# Altium PCB Acquisition-System_V1.0.PcbDoc (part 3 of 5) (continued)
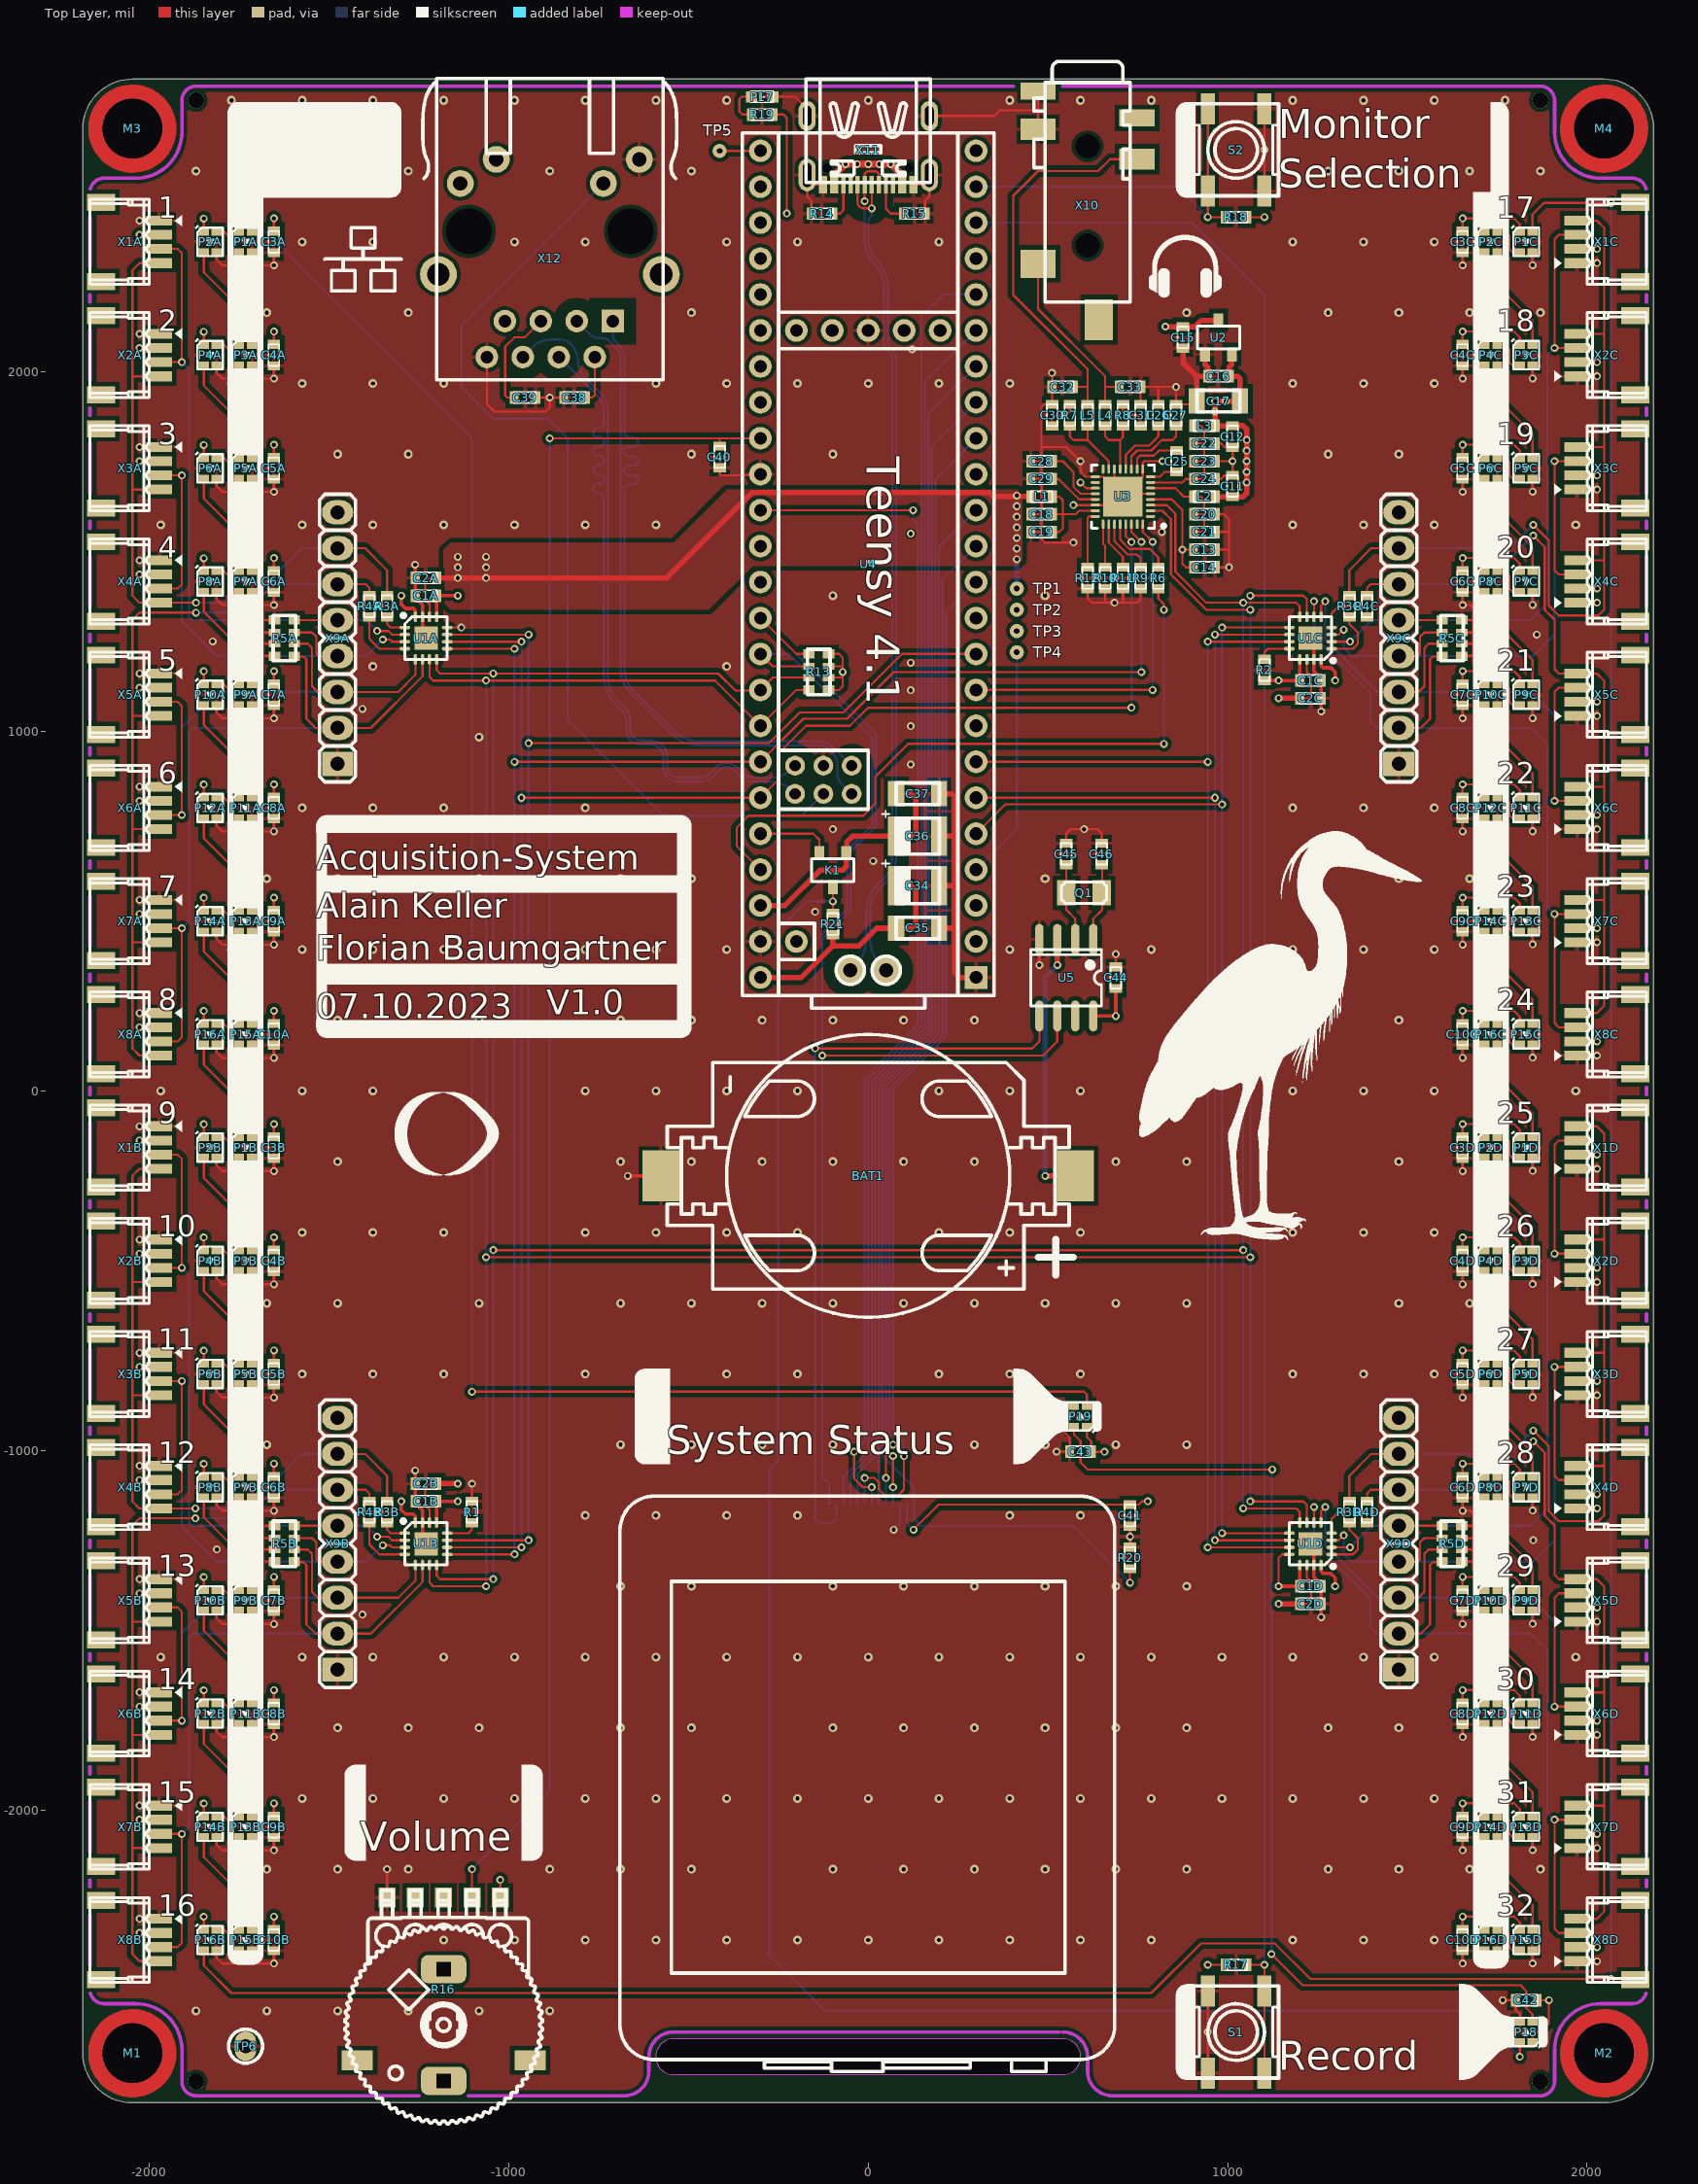
[diagram p0: Top Layer view]
## Nets (pads, with @x,y where several pads share a name; then routed paths per layer and width w, separated by ;. In a path a pad name is that pad's centre, name@x,y a point inside that pad or via, vN(x,y) a via of type N, cw(c..) or ccw(c..) an arc to the next point about the centre after c; other vN are vias at no path point) (continued)
HMI_SCL: R13.5 U4.38 U5.6 X13.2 | length 3590.1
  Top Layer w6: U4.38@-300,1315.75 -200.2,1215.94 R13.5@-165.35,1215.94 ; v1(-127.95,98.43) 486.81,98.43 526.18,137.8 U5.6@526.18,208.66
  Bottom Layer w6: U4.38@-300,1315.75 21.65,994.09 21.65,736.08 -49.21,665.21 -49.21,501.97 -127.95,423.23 v1(-127.95,98.43) -127.95,-738.19 ; -127.95,-734.09 -127.95,-738.19 ; X13.2@-108.27,-1149.61 -108.27,-1092.52 -127.95,-1072.83 -127.95,-738.19
HMI_SDA: R13.6 U4.39 U5.5 X13.3 | length 3608
  Top Layer w6: U4.39@-300,1215.75 -265.75,1181.5 R13.6@-165.35,1181.5 ; v1(-147.64,118.11) 456.5,118.11 476.18,137.8 U5.5@476.18,208.66
  Bottom Layer w6: U4.39@-300,1215.75 -221.65,1215.75 11.81,982.28 11.81,740.16 -59.06,669.29 -59.06,506.05 -147.64,417.46 v1(-147.64,118.11) -147.64,-738.19 -147.64,-1190.94 -137.8,-1200.79 -98.43,-1200.79 -88.58,-1190.94 X13.3@-88.58,-1149.61
LCD_BL: R20.2 U4.16 X13.14 | length 3864
  Top Layer w6: v1(728.35,-1368.11) R20.2@728.35,-1329.21
  Bottom Layer w6: U4.16@300,1815.75 187.01,1702.76 187.01,163.24 39.37,15.61 39.37,-984.25 39.37,-1015.75 127.95,-1104.33 X13.14@127.95,-1149.61 127.95,-1190.94 147.64,-1210.63 570.87,-1210.63 v1(728.35,-1368.11)
LCD_C\S\: U4.12 X13.7 | length 2854.4
  Top Layer w6: v1(-9.84,-1076.77) 17.72,-1076.77 29.53,-1088.58 29.53,-1108.27 47.24,-1125.98 82.68,-1125.98 99.57,-1109.09 v1(99.57,-1016)
  Bottom Layer w6: X13.7@-9.84,-1149.61 v1(-9.84,-1076.77) ; v1(99.57,-1016) 99.57,-977.52 68.9,-946.85 68.9,3.38 216.53,151.01 216.54,1332.28 U4.12@300,1415.75
LCD_DC: U4.17 X13.9 | length 3177.4
  Bottom Layer w6: X13.9@29.53,-1149.61 29.53,-984.25 29.53,19.69 177.16,167.32 177.17,1792.91 U4.17@300,1915.75
LCD_MISO: U4.14 X13.11 | length 2877.4
  Top Layer w6: v1(68.9,-1102.36) v1(68.9,-1015.75)
  Bottom Layer w6: X13.11@68.9,-1149.61 v1(68.9,-1102.36) ; v1(68.9,-1015.75) 49.21,-996.06 49.21,11.53 196.85,159.17 196.85,1512.6 U4.14@300,1615.75
LCD_MOSI: U4.13 X13.10 | length 2777.4
  Top Layer w6: v1(49.21,-1076.77) 49.21,-1003.94 v1(68.9,-984.25)
  Bottom Layer w6: X13.10@49.21,-1149.61 v1(49.21,-1076.77) ; v1(68.9,-984.25) 68.9,-966.54 59.06,-956.69 59.06,7.45 206.69,155.09 206.69,1422.44 U4.13@300,1515.75
LCD_R\S\T\: U4.18 X13.6 | length 3301.8
  Bottom Layer w6: X13.6@-29.53,-1149.61 -29.53,-1064.96 19.69,-1015.75 19.69,-984.25 19.69,23.76 167.32,171.4 167.32,1883.07 U4.18@300,2015.75
LCD_SCLK: U4.35 X13.8 | length 3304.4
  Top Layer w6: U4.35@-300,1615.75 v1(124.89,1615.75) ; v1(-39.37,-1003.94) -39.37,-1078.74 -15.75,-1102.36 v1(9.84,-1102.36)
  Bottom Layer w6: v1(-39.37,-1003.94) -9.84,-974.41 -9.84,35.99 137.79,183.63 137.8,1577.04 124.89,1589.94 v1(124.89,1615.75) ; X13.8@9.84,-1149.61 v1(9.84,-1102.36)
NetBAT1_1: BAT1.1 U5.3 | length 756.2
  Top Layer w15: v1(492.13,-236.22) BAT1.1@576.77,-236.22 ; v1(526.18,350.39) U5.3@526.18,421.26
  Bottom Layer w15: v1(492.13,-236.22) 492.13,316.34 v1(526.18,350.39)
NetC18_2: C18.2 C19.2 L1.2 U3.23 | length 268.7
  Top Layer w6: C19.2@512.28,1555.12 531.5,1555.12 541.34,1564.96 541.34,1604.33 ; C18.2@512.28,1604.33 541.34,1604.33 ; L1.2@512.28,1653.54 531.5,1653.54 541.34,1643.7 541.34,1604.33 ; U3.23@631.89,1614.17 586.61,1614.17 576.77,1604.33 541.34,1604.33
NetC20_2: C20.2 C21.2 L2.2 U3.6 | length 306.3
  Top Layer w6: U3.6@785.43,1677.17 854.33,1677.17 877.95,1653.54 L2.2@905.04,1653.54 925.2,1653.54 935.04,1643.7 935.04,1604.33 ; C21.2@905.04,1555.12 925.2,1555.12 935.04,1564.96 935.04,1604.33 ; C20.2@905.04,1604.33 935.04,1604.33
NetC22_2: C22.2 C23.2 C24.2 L3.2 U3.7 | length 380.9
  Top Layer w6: U3.7@785.43,1692.91 874.02,1692.91 883.86,1702.76 C24.2@905.04,1702.76 927.16,1702.76 935.04,1710.63 935.04,1801.18 ; C23.2@905.04,1751.97 935.04,1751.97 ; C22.2@905.04,1801.18 935.04,1801.18 ; L3.2@905.04,1850.39 925.2,1850.39 935.04,1840.55 935.04,1801.18
NetC25_1: C25.1 U3.10 | length 148.9
  Top Layer w6: U3.10@748.03,1730.31 748.03,1759.84 755.91,1767.72 795.28,1767.72 809.53,1781.97 C25.1@858.27,1781.97
NetC25_2: C25.2 U3.8 | length 78.3
  Top Layer w6: U3.8@785.43,1708.66 811.02,1708.66 824.33,1721.97 C25.2@858.27,1721.97
NetC26_2: C26.2 U3.12 | length 180.2
  Top Layer w6: U3.12@716.54,1730.31 716.54,1769.69 742.13,1795.28 781.5,1795.28 807.09,1820.87 C26.2@807.09,1849.92
NetC27_2: C27.2 U3.11 | length 211.3
  Top Layer w6: U3.11@732.28,1730.31 732.28,1765.75 748.03,1781.5 787.4,1781.5 816.93,1811.02 846.46,1811.02 856.3,1820.87 C27.2@856.3,1849.92
NetC28_2: C28.2 U3.20 | length 181.3
  Top Layer w6: C28.2@512.28,1751.97 541.34,1751.97 570.87,1722.44 570.87,1681.1 590.55,1661.42 U3.20@631.89,1661.42
NetC29_2: C29.2 U3.21 | length 143.3
  Top Layer w6: C29.2@512.28,1702.76 513.03,1702.01 530.27,1702.01 586.61,1645.67 U3.21@631.89,1645.67
NetC30_2: C30.2 R7.2 | length 97.7
  Top Layer w6: C30.2@511.81,1849.92 511.81,1870.08 521.65,1879.92 551.18,1879.92 561.02,1889.76 R7.2@561.02,1909.92
NetC31_2: C31.2 R8.2 | length 97.7
  Top Layer w6: R8.2@708.66,1909.92 708.66,1889.76 718.5,1879.92 748.03,1879.92 757.87,1870.08 C31.2@757.87,1849.92
NetC32_1: C32.1 L5.1 X10.5 | length 1091.7
  Top Layer w6: C32.1@571.34,1958.66 571.57,1958.9 610.24,1958.9 ; L5.1@610.24,1909.92 610.24,1958.9 ; X10.5@748.03,2592.52 673.23,2592.52 639.76,2559.06 472.44,2559.06 403.54,2490.16 403.54,2214.57 610.24,2007.87 610.24,1958.9
NetC33_1: C33.1 L4.1 X10.2 | length 507.6
  Top Layer w6: X10.2@472.44,2301.18 472.44,2175.2 659.45,1988.19 659.45,1958.66 ; L4.1@659.45,1909.92 659.45,1958.66 ; C33.1@698.35,1958.66 659.45,1958.66
NetC38_2: C38.2 X12.2 | length 134.7
  Top Layer w6: C38.2@-786.93,1929.13 -767.72,1929.13 -760.83,1936.02 X12.2@-760.83,2041.73
NetC39_2: C39.2 X12.5 | length 291.8
  Top Layer w6: C39.2@-984.72,1929.13 -1003.94,1929.13 -1009.84,1935.04 -1009.84,2070.87 -984.25,2096.46 -956.1,2096.46 X12.5@-910.83,2141.73
NetC45_1: C45.1 Q1.1 U5.2 | length 218.5
  Top Layer w6: C45.1@551.18,629.45 Q1.1@551.18,551.18 551.18,503.94 576.18,478.94 U5.2@576.18,421.26
NetC46_1: C46.1 Q1.2 U5.1 | length 218.5
  Top Layer w6: U5.1@626.18,421.26 626.18,478.94 651.18,503.94 651.18,551.18 C46.1@651.18,629.45
NetK1_D: K1.D P18.4 R21.1 | length 5353
  Top Layer w6: R21.1@-98.43,502.44 K1.D@-98.43,562.99 ; v1(1812.99,-2687.01) P18.4@1812.99,-2647.64
  Bottom Layer w6: v1(-98.43,527.56) -171.26,527.56 -250,448.82 -250,-1027.56 -275.59,-1053.15 -275.59,-2403.41 -119.95,-2559.06 1685.04,-2559.06 v1(1812.99,-2687.01)
NetL4_2: L4.2 R8.1 U3.13 | length 197.3
  Top Layer w6: L4.2@659.45,1849.92 659.45,1820.87 669.29,1811.02 700.79,1811.02 ; U3.13@700.79,1730.31 700.79,1811.02 ; R8.1@708.66,1849.92 708.66,1818.9 700.79,1811.02
NetL5_2: L5.2 R7.1 U3.15 | length 226.4
  Top Layer w6: R7.1@561.02,1849.92 561.02,1820.87 570.87,1811.02 610.24,1811.02 ; L5.2@610.24,1849.92 610.24,1811.02 ; U3.15@669.29,1730.31 669.29,1751.97 610.24,1811.02
NetP1A_2: P1A.2 P2A.4 | length 108.2
  Top Layer w6: P2A.4@-1812.99,2391.73 -1793.31,2391.73 -1779.53,2377.95 -1779.53,2342.52 -1769.68,2332.68 P1A.2@-1750,2332.68
NetP1A_4: P1A.4 P19.2 | length 5298.2
  Top Layer w6: P1A.4@-1714.57,2391.73 v1(-1714.57,2427.17) ; v1(-1102.36,-836.61) 600.39,-836.61 608.27,-844.49 P19.2@608.27,-875.98
  Bottom Layer w6: v1(-1714.57,2427.17) -1102.36,1814.96 v1(-1102.36,-836.61)
NetP1B_2: P1B.2 P2B.4 | length 108.2
  Top Layer w6: P2B.4@-1812.99,-127.95 -1793.31,-127.95 -1779.53,-141.73 -1779.53,-177.17 -1769.68,-187.01 P1B.2@-1750,-187.01
NetP1B_4: P1B.4 P16A.2 | length 311.4
  Top Layer w6: P16A.2@-1848.43,127.95 -1848.43,72.83 -1714.57,-61.02 P1B.4@-1714.57,-127.95
NetP1C_2: P1C.2 P2C.4 | length 108.2
  Top Layer w6: P2C.4@1750,2391.73 1769.69,2391.73 1783.46,2377.95 1783.46,2342.52 1793.31,2332.68 P1C.2@1812.99,2332.68
NetP1C_4: P1C.4 P16B.2 | length 9306.1
  Top Layer w6: P16B.2@-1848.43,-2391.73 -1848.43,-2433.07 -1771.65,-2509.84 787.4,-2509.84 925.2,-2372.05 1131.89,-2372.05 1230.31,-2470.47 v1(2066.93,-2470.47) ; P1C.4@1848.43,2391.73 1848.43,2438.98 1879.92,2470.47 v1(2066.93,2470.47)
  Bottom Layer w6: v1(2066.93,-2470.47) v1(2066.93,2470.47)
NetP1D_2: P1D.2 P2D.4 | length 108.2
  Top Layer w6: P2D.4@1750,-127.95 1769.69,-127.95 1783.46,-141.73 1783.46,-177.17 1793.31,-187.01 P1D.2@1812.99,-187.01
NetP1D_4: P1D.4 P16C.2 | length 311.4
  Top Layer w6: P16C.2@1714.57,127.95 1714.57,72.83 1848.43,-61.02 P1D.4@1848.43,-127.95
NetP2A_2: P2A.2 P3A.4 | length 311.4
  Top Layer w6: P2A.2@-1848.43,2332.68 -1848.43,2277.56 -1714.57,2143.7 P3A.4@-1714.57,2076.77
NetP2B_2: P2B.2 P3B.4 | length 311.4
  Top Layer w6: P2B.2@-1848.43,-187.01 -1848.43,-242.13 -1714.57,-375.98 P3B.4@-1714.57,-442.91
NetP2C_2: P2C.2 P3C.4 | length 311.4
  Top Layer w6: P2C.2@1714.57,2332.68 1714.57,2277.56 1848.43,2143.7 P3C.4@1848.43,2076.77
NetP2D_2: P2D.2 P3D.4 | length 311.4
  Top Layer w6: P2D.2@1714.57,-187.01 1714.57,-242.13 1848.43,-375.98 P3D.4@1848.43,-442.91
NetP3A_2: P3A.2 P4A.4 | length 108.2
  Top Layer w6: P4A.4@-1812.99,2076.77 -1793.31,2076.77 -1779.53,2062.99 -1779.53,2027.56 -1769.68,2017.72 P3A.2@-1750,2017.72
NetP3B_2: P3B.2 P4B.4 | length 108.2
  Top Layer w6: P4B.4@-1812.99,-442.91 -1793.31,-442.91 -1779.53,-456.69 -1779.53,-492.13 -1769.68,-501.97 P3B.2@-1750,-501.97
NetP3C_2: P3C.2 P4C.4 | length 108.2
  Top Layer w6: P4C.4@1750,2076.77 1769.69,2076.77 1783.46,2062.99 1783.46,2027.56 1793.31,2017.72 P3C.2@1812.99,2017.72
NetP3D_2: P3D.2 P4D.4 | length 108.2
  Top Layer w6: P4D.4@1750,-442.91 1769.69,-442.91 1783.46,-456.69 1783.46,-492.13 1793.31,-501.97 P3D.2@1812.99,-501.97
NetP4A_2: P4A.2 P5A.4 | length 311.4
  Top Layer w6: P4A.2@-1848.43,2017.72 -1848.43,1962.6 -1714.57,1828.74 P5A.4@-1714.57,1761.81
NetP4B_2: P4B.2 P5B.4 | length 311.4
  Top Layer w6: P4B.2@-1848.43,-501.97 -1848.43,-557.09 -1714.57,-690.94 P5B.4@-1714.57,-757.87
NetP4C_2: P4C.2 P5C.4 | length 311.4
  Top Layer w6: P4C.2@1714.57,2017.72 1714.57,1962.6 1848.43,1828.74 P5C.4@1848.43,1761.81
NetP4D_2: P4D.2 P5D.4 | length 311.4
  Top Layer w6: P4D.2@1714.57,-501.97 1714.57,-557.09 1848.43,-690.94 P5D.4@1848.43,-757.87
NetP5A_2: P5A.2 P6A.4 | length 108.2
  Top Layer w6: P6A.4@-1812.99,1761.81 -1793.31,1761.81 -1779.53,1748.03 -1779.53,1712.6 -1769.68,1702.76 P5A.2@-1750,1702.76
NetP5B_2: P5B.2 P6B.4 | length 108.2
  Top Layer w6: P6B.4@-1812.99,-757.87 -1793.31,-757.87 -1779.53,-771.65 -1779.53,-807.09 -1769.68,-816.93 P5B.2@-1750,-816.93
NetP5C_2: P5C.2 P6C.4 | length 108.2
  Top Layer w6: P6C.4@1750,1761.81 1769.69,1761.81 1783.46,1748.03 1783.46,1712.6 1793.31,1702.76 P5C.2@1812.99,1702.76
NetP5D_2: P5D.2 P6D.4 | length 108.2
  Top Layer w6: P6D.4@1750,-757.87 1769.69,-757.87 1783.46,-771.65 1783.46,-807.09 1793.31,-816.93 P5D.2@1812.99,-816.93
NetP6A_2: P6A.2 P7A.4 | length 311.4
  Top Layer w6: P6A.2@-1848.43,1702.76 -1848.43,1647.64 -1714.57,1513.78 P7A.4@-1714.57,1446.85
NetP6B_2: P6B.2 P7B.4 | length 311.4
  Top Layer w6: P6B.2@-1848.43,-816.93 -1848.43,-872.05 -1714.57,-1005.91 P7B.4@-1714.57,-1072.83
NetP6C_2: P6C.2 P7C.4 | length 311.4
  Top Layer w6: P6C.2@1714.57,1702.76 1714.57,1647.64 1848.43,1513.78 P7C.4@1848.43,1446.85
NetP6D_2: P6D.2 P7D.4 | length 311.4
  Top Layer w6: P6D.2@1714.57,-816.93 1714.57,-872.05 1848.43,-1005.91 P7D.4@1848.43,-1072.83
NetP7A_2: P7A.2 P8A.4 | length 108.2
  Top Layer w6: P8A.4@-1812.99,1446.85 -1793.31,1446.85 -1779.53,1433.07 -1779.53,1397.64 -1769.68,1387.8 P7A.2@-1750,1387.8
NetP7B_2: P7B.2 P8B.4 | length 108.2
  Top Layer w6: P8B.4@-1812.99,-1072.83 -1793.31,-1072.83 -1779.53,-1086.61 -1779.53,-1122.05 -1769.68,-1131.89 P7B.2@-1750,-1131.89
NetP7C_2: P7C.2 P8C.4 | length 108.2
  Top Layer w6: P8C.4@1750,1446.85 1769.69,1446.85 1783.46,1433.07 1783.46,1397.64 1793.31,1387.8 P7C.2@1812.99,1387.8
NetP7D_2: P7D.2 P8D.4 | length 108.2
  Top Layer w6: P8D.4@1750,-1072.83 1769.69,-1072.83 1783.46,-1086.61 1783.46,-1122.05 1793.31,-1131.89 P7D.2@1812.99,-1131.89
NetP8A_2: P8A.2 P9A.4 | length 311.4
  Top Layer w6: P8A.2@-1848.43,1387.8 -1848.43,1332.68 -1714.57,1198.82 P9A.4@-1714.57,1131.89
NetP8B_2: P8B.2 P9B.4 | length 311.4
  Top Layer w6: P8B.2@-1848.43,-1131.89 -1848.43,-1187.01 -1714.57,-1320.87 P9B.4@-1714.57,-1387.8
NetP8C_2: P8C.2 P9C.4 | length 311.4
  Top Layer w6: P8C.2@1714.57,1387.8 1714.57,1332.68 1848.43,1198.82 P9C.4@1848.43,1131.89
NetP8D_2: P8D.2 P9D.4 | length 311.4
  Top Layer w6: P8D.2@1714.57,-1131.89 1714.57,-1187.01 1848.43,-1320.87 P9D.4@1848.43,-1387.8
NetP9A_2: P9A.2 P10A.4 | length 108.2
  Top Layer w6: P10A.4@-1812.99,1131.89 -1793.31,1131.89 -1779.53,1118.11 -1779.53,1082.68 -1769.68,1072.83 P9A.2@-1750,1072.83
NetP9B_2: P9B.2 P10B.4 | length 108.2
  Top Layer w6: P10B.4@-1812.99,-1387.8 -1793.31,-1387.8 -1779.53,-1401.57 -1779.53,-1437.01 -1769.68,-1446.85 P9B.2@-1750,-1446.85
NetP9C_2: P9C.2 P10C.4 | length 108.2
  Top Layer w6: P10C.4@1750,1131.89 1769.69,1131.89 1783.46,1118.11 1783.46,1082.68 1793.31,1072.83 P9C.2@1812.99,1072.83
NetP9D_2: P9D.2 P10D.4 | length 108.2
  Top Layer w6: P10D.4@1750,-1387.8 1769.69,-1387.8 1783.46,-1401.57 1783.46,-1437.01 1793.31,-1446.85 P9D.2@1812.99,-1446.85
NetP10A_2: P10A.2 P11A.4 | length 311.4
  Top Layer w6: P10A.2@-1848.43,1072.83 -1848.43,1017.72 -1714.57,883.86 P11A.4@-1714.57,816.93
NetP10B_2: P10B.2 P11B.4 | length 311.4
  Top Layer w6: P10B.2@-1848.43,-1446.85 -1848.43,-1501.97 -1714.57,-1635.83 P11B.4@-1714.57,-1702.76
NetP10C_2: P10C.2 P11C.4 | length 311.4
  Top Layer w6: P10C.2@1714.57,1072.83 1714.57,1017.72 1848.43,883.86 P11C.4@1848.43,816.93
NetP10D_2: P10D.2 P11D.4 | length 311.4
  Top Layer w6: P10D.2@1714.57,-1446.85 1714.57,-1501.97 1848.43,-1635.83 P11D.4@1848.43,-1702.76
NetP11A_2: P11A.2 P12A.4 | length 108.2
  Top Layer w6: P12A.4@-1812.99,816.93 -1793.31,816.93 -1779.53,803.15 -1779.53,767.72 -1769.68,757.87 P11A.2@-1750,757.87
NetP11B_2: P11B.2 P12B.4 | length 108.2
  Top Layer w6: P12B.4@-1812.99,-1702.76 -1793.31,-1702.76 -1779.53,-1716.54 -1779.53,-1751.97 -1769.68,-1761.81 P11B.2@-1750,-1761.81
NetP11C_2: P11C.2 P12C.4 | length 108.2
  Top Layer w6: P12C.4@1750,816.93 1769.69,816.93 1783.46,803.15 1783.46,767.72 1793.31,757.87 P11C.2@1812.99,757.87
NetP11D_2: P11D.2 P12D.4 | length 108.2
  Top Layer w6: P12D.4@1750,-1702.76 1769.69,-1702.76 1783.46,-1716.54 1783.46,-1751.97 1793.31,-1761.81 P11D.2@1812.99,-1761.81
NetP12A_2: P12A.2 P13A.4 | length 311.4
  Top Layer w6: P12A.2@-1848.43,757.87 -1848.43,702.76 -1714.57,568.9 P13A.4@-1714.57,501.97
NetP12B_2: P12B.2 P13B.4 | length 311.4
  Top Layer w6: P12B.2@-1848.43,-1761.81 -1848.43,-1816.93 -1714.57,-1950.79 P13B.4@-1714.57,-2017.72
NetP12C_2: P12C.2 P13C.4 | length 311.4
  Top Layer w6: P12C.2@1714.57,757.87 1714.57,702.76 1848.43,568.9 P13C.4@1848.43,501.97
NetP12D_2: P12D.2 P13D.4 | length 311.4
  Top Layer w6: P12D.2@1714.57,-1761.81 1714.57,-1816.93 1848.43,-1950.79 P13D.4@1848.43,-2017.72
NetP13A_2: P13A.2 P14A.4 | length 108.2
  Top Layer w6: P14A.4@-1812.99,501.97 -1793.31,501.97 -1779.53,488.19 -1779.53,452.76 -1769.68,442.91 P13A.2@-1750,442.91
NetP13B_2: P13B.2 P14B.4 | length 108.2
  Top Layer w6: P14B.4@-1812.99,-2017.72 -1793.31,-2017.72 -1779.53,-2031.5 -1779.53,-2066.93 -1769.68,-2076.77 P13B.2@-1750,-2076.77
NetP13C_2: P13C.2 P14C.4 | length 108.2
  Top Layer w6: P14C.4@1750,501.97 1769.69,501.97 1783.46,488.19 1783.46,452.76 1793.31,442.91 P13C.2@1812.99,442.91
NetP13D_2: P13D.2 P14D.4 | length 108.2
  Top Layer w6: P14D.4@1750,-2017.72 1769.69,-2017.72 1783.46,-2031.5 1783.46,-2066.93 1793.31,-2076.77 P13D.2@1812.99,-2076.77
NetP14A_2: P14A.2 P15A.4 | length 311.4
  Top Layer w6: P14A.2@-1848.43,442.91 -1848.43,387.8 -1714.57,253.94 P15A.4@-1714.57,187.01
NetP14B_2: P14B.2 P15B.4 | length 311.4
  Top Layer w6: P14B.2@-1848.43,-2076.77 -1848.43,-2131.89 -1714.57,-2265.75 P15B.4@-1714.57,-2332.68
NetP14C_2: P14C.2 P15C.4 | length 311.4
  Top Layer w6: P14C.2@1714.57,442.91 1714.57,387.8 1848.43,253.94 P15C.4@1848.43,187.01
NetP14D_2: P14D.2 P15D.4 | length 311.4
  Top Layer w6: P14D.2@1714.57,-2076.77 1714.57,-2131.89 1848.43,-2265.75 P15D.4@1848.43,-2332.68
NetP15A_2: P15A.2 P16A.4 | length 108.2
  Top Layer w6: P16A.4@-1812.99,187.01 -1793.31,187.01 -1779.53,173.23 -1779.53,137.8 -1769.68,127.95 P15A.2@-1750,127.95
NetP15B_2: P15B.2 P16B.4 | length 108.2
  Top Layer w6: P16B.4@-1812.99,-2332.68 -1793.31,-2332.68 -1779.53,-2346.46 -1779.53,-2381.89 -1769.68,-2391.73 P15B.2@-1750,-2391.73
NetP15C_2: P15C.2 P16C.4 | length 108.2
  Top Layer w6: P16C.4@1750,187.01 1769.69,187.01 1783.46,173.23 1783.46,137.8 1793.31,127.95 P15C.2@1812.99,127.95
NetP15D_2: P15D.2 P16D.4 | length 108.2
  Top Layer w6: P16D.4@1750,-2332.68 1769.69,-2332.68 1783.46,-2346.46 1783.46,-2381.89 1793.31,-2391.73 P15D.2@1812.99,-2391.73
NetP16D_2: P16D.2
NetP17_A: P17.A R19.2 | length 107.6
  Top Layer w6: R19.2@-325.28,2716.54 -350.39,2716.54 -358.27,2724.41 -358.27,2759.84 -352.36,2765.75 P17.A@-324.8,2765.75
NetP18_2: P18.2 P19.4 | length 2839.9
  Top Layer w6: P19.4@572.83,-935.04 572.83,-956.69 590.55,-974.41 590.55,-1033.46 610.24,-1053.15 v1(1124.19,-1053.15) ; v1(1122.05,-2401.57) 1208.66,-2488.19 1814.96,-2488.19 1830.71,-2503.94 1830.71,-2551.18 1848.43,-2568.9 P18.2@1848.43,-2588.58
  Bottom Layer w6: v1(1122.05,-2401.57) 1122.05,-1055.29 v1(1124.19,-1053.15)
NetR1_2: R1.2 U1B.12 | length 92.2
  Top Layer w6: U1B.12@-1171.26,-1230.31 -1112.2,-1230.31 -1102.36,-1220.47 R1.2@-1102.36,-1201.26
NetR2_1: R2.1 U1C.12 | length 92.2
  Top Layer w6: R2.1@1102.36,1201.26 1102.36,1220.47 1112.2,1230.31 U1C.12@1171.26,1230.31
NetR3A_1: R3A.1 U1A.1 | length 72.5
  Top Layer w6: R3A.1@-1338.58,1318.43 -1338.58,1299.21 -1328.74,1289.37 U1A.1@-1289.37,1289.37
NetR3A_2: R3A.2 X1A.4 X2A.4 X3A.4 X4A.4 X9A.7 | length 2013.3
  Top Layer w6: X3A.4@-1972.44,1673.23 -2047.24,1673.23 ; X2A.4@-1972.44,1988.19 -2047.24,1988.19 ; X1A.4@-1972.44,2303.15 -2027.56,2303.15 -2047.24,2283.46 -2047.24,1988.19 ; v1(-1870.25,1358.27) X4A.4@-1972.44,1358.27 -2027.56,1358.27 -2047.24,1377.95 -2047.24,1673.23 ; X9A.7@-1476.38,1509.84 -1399.61,1509.84 -1338.58,1448.82 R3A.2@-1338.58,1378.43 ; -2047.24,1673.23 -2047.24,1988.19
  Bottom Layer w6: v1(-1870.25,1358.27) -1728.35,1358.27 -1576.77,1509.84 X9A.7@-1476.38,1509.84
NetR3B_1: R3B.1 U1B.1 | length 72.5
  Top Layer w6: R3B.1@-1338.58,-1201.26 -1338.58,-1220.47 -1328.74,-1230.31 U1B.1@-1289.37,-1230.31
NetR3B_2: R3B.2 X1B.4 X2B.4 X3B.4 X4B.4 X9B.7 | length 2013.3
  Top Layer w6: X3B.4@-1972.44,-846.46 -2047.24,-846.46 ; X2B.4@-1972.44,-531.5 -2047.24,-531.5 ; X1B.4@-1972.44,-216.54 -2027.56,-216.54 -2047.24,-236.22 -2047.24,-531.5 ; v1@-1870.08,-1161.42 X4B.4@-1972.44,-1161.42 -2027.56,-1161.42 -2047.24,-1141.73 -2047.24,-846.46 ; X9B.7@-1476.38,-1009.84 -1399.61,-1009.84 -1338.58,-1070.87 R3B.2@-1338.58,-1141.26 ; -2047.24,-846.46 -2047.24,-531.5
  Bottom Layer w6: v1@-1870.08,-1161.42 -1728.35,-1161.42 -1576.77,-1009.84 X9B.7@-1476.38,-1009.84
  other v1: -1872.05,-1161.42
NetR3C_1: R3C.1 U1C.1 | length 162.7
  Top Layer w6: U1C.1@1289.37,1230.31 1348.43,1230.31 1362.2,1244.09 1362.2,1275.59 1338.58,1299.21 R3C.1@1338.58,1318.43
NetR3C_2: R3C.2 X1C.4 X2C.4 X3C.4 X4C.4 X9C.7 | length 2418.6
  Top Layer w6: R3C.2@1338.58,1378.43 1338.58,1448.82 1399.61,1509.84 X9C.7@1476.38,1509.84 ; v1(1850.39,1574.8) 1893.7,1531.5 1893.7,1350.39 1921.26,1322.83 2031.5,1322.83 2047.24,1338.58 2047.24,1476.38 ; X4C.4@1972.44,1476.38 2047.24,1476.38 ; X3C.4@1972.44,1791.34 2047.24,1791.34 ; X2C.4@1972.44,2106.3 2047.24,2106.3 ; X1C.4@1972.44,2421.26 2027.56,2421.26 2047.24,2401.57 2047.24,2106.3 ; 2047.24,1476.38 2047.24,1791.34 ; 2047.24,1791.34 2047.24,2106.3
  Bottom Layer w6: X9C.7@1476.38,1509.84 1785.43,1509.84 v1(1850.39,1574.8)
NetR3D_1: R3D.1 U1D.1 | length 162.7
  Top Layer w6: U1D.1@1289.37,-1289.37 1348.43,-1289.37 1362.2,-1275.59 1362.2,-1244.09 1338.58,-1220.47 R3D.1@1338.58,-1201.26